# Altium PCB coreBoard_autotrack.PcbDoc (part 3 of 3)
Units mm, origin at the board's own origin, x right, y up, seen from the top; angles counter-clockwise.
Board outline 99.95 x 98.81 mm, 2 copper layers (Top Layer, Bottom Layer); 297 components, 244 nets, 1010 pads, 629 vias.
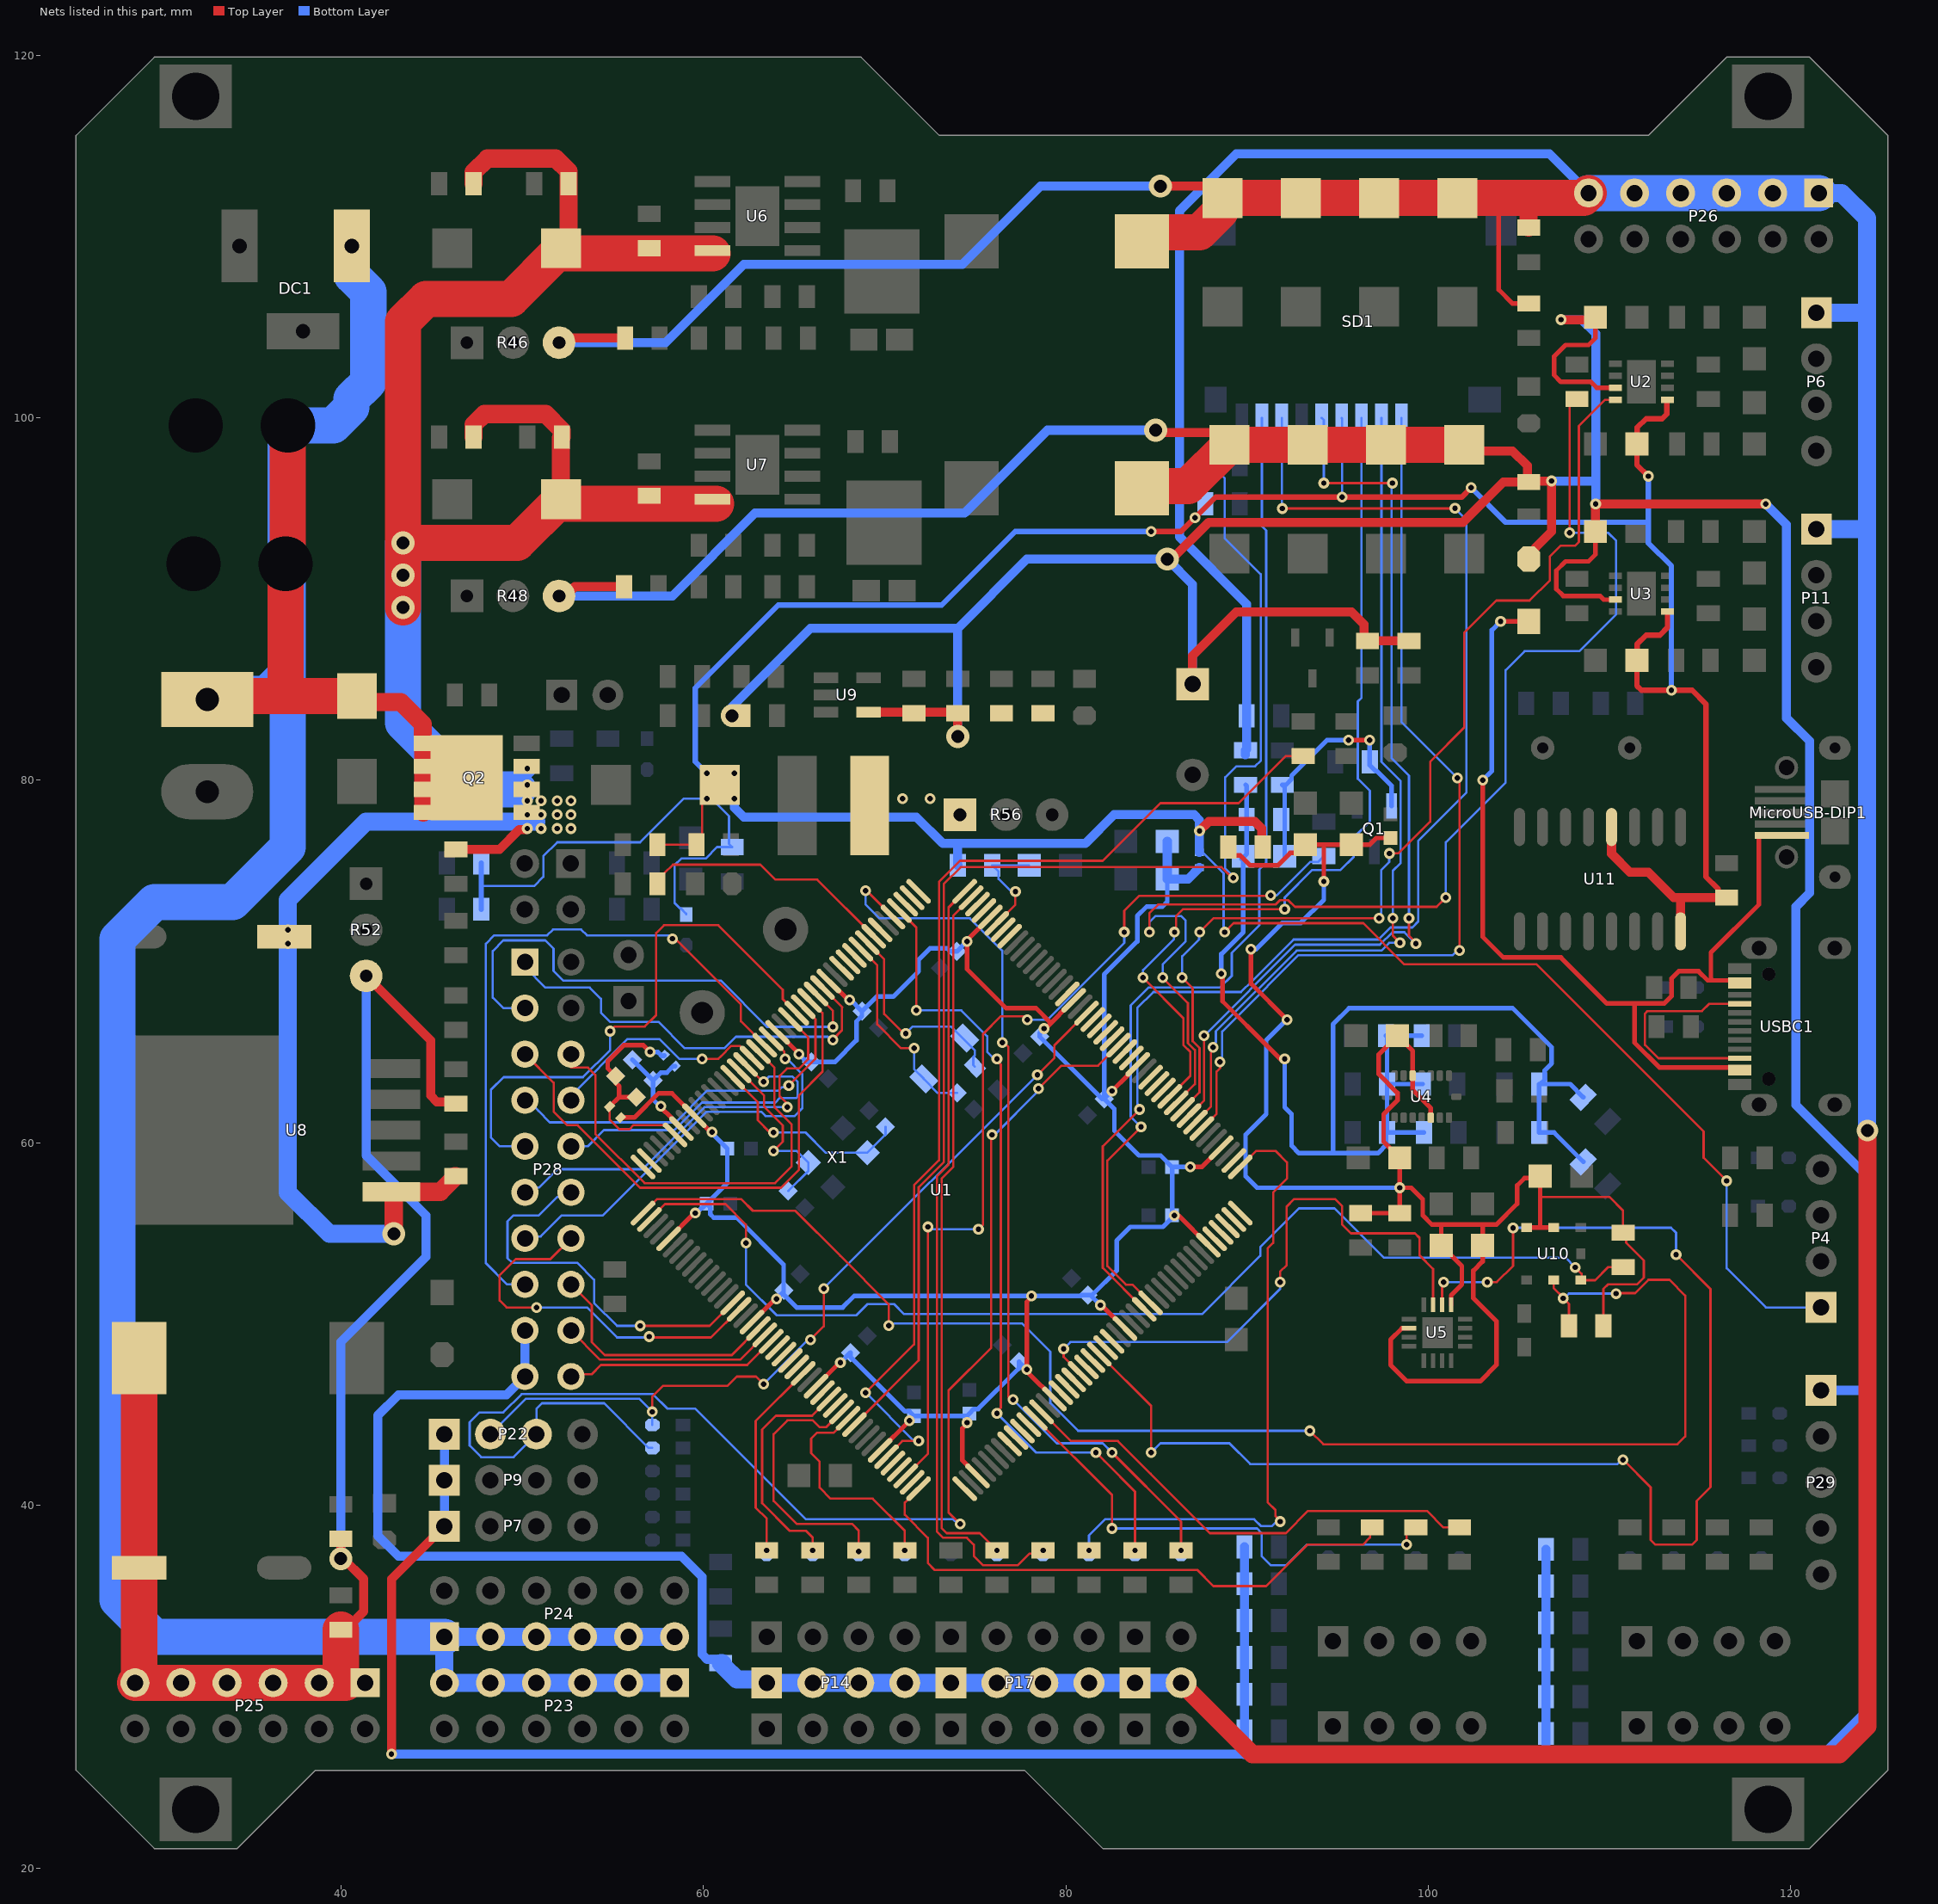
[diagram p3: the nets of this part, all layers, seen from the top]

## Via types
v1: diameter 0.6, hole 0.3, Top Layer to Bottom Layer, tented both sides, 587 vias
v2: diameter 0.6, hole 0.3, Top Layer to Bottom Layer, 20 vias
v3: diameter 1.27, hole 0.711, Top Layer to Bottom Layer, tented both sides, 19 vias
v4: diameter 1.2, hole 0.7, Top Layer to Bottom Layer, tented both sides, 3 vias

## Nets (pads, with @x,y where several pads share a name; then routed paths per layer and width w, separated by ;. In a path a pad name is that pad's centre, name@x,y a point inside that pad or via, vN(x,y) a via of type N, cw(c..) or ccw(c..) an arc to the next point about the centre after c; other vN are vias at no path point) (continued)
PC8: SD1.7 U1.117 | length 74.6
  Top Layer w0.127: v1(84.074,61.849) 82.042,59.817 82.042,53.11 U1.117@84.324,50.828 ; v1(91.948,94.996) 101.464,94.996 v1(101.473,95.005)
  Bottom Layer w0.127: v1(84.074,61.849) 83.983,61.94 83.983,62.123 83.947,62.16 83.947,67.437 84.832,68.322 89.666,68.322 90.297,68.953 92.566,71.222 97.257,71.222 97.917,71.882 99.119,71.882 99.441,72.204 99.441,76.663 102.108,79.33 102.108,94.361 101.473,94.996 v1(101.473,95.005) ; SD1.7@91.916,99.99 91.916,95.028 v1(91.948,94.996)
PC9: SD1.8 U1.118 | length 56.5
  Top Layer w0.127: v1(84.15,60.884) 82.296,59.03 82.296,53.215 83.324,52.187 83.677,52.187 84.678,51.187 U1.118@84.678,51.181
  Bottom Layer w0.127: v1(84.15,60.884) 83.584,61.45 83.584,67.582 84.582,68.58 88.519,68.58 89.154,69.215 89.154,70.485 90.678,72.009 90.678,75.082 91.059,75.463 91.059,93.788 90.816,94.031 SD1.8@90.816,99.99
PC10: SD1.1 U1.139 | length 51.5
  Top Layer w0.127: U1.139@87.506,60.798 88.317,61.609 88.317,63.933 88.519,64.135 88.519,64.457 v1(88.501,64.475) ; v1(101.6,80.137) 101.6,80.009 101.727,79.882 v1(101.727,70.612)
  Bottom Layer w0.127: v1(88.501,64.475) 88.501,64.498 88.628,64.625 88.628,66.149 89.408,66.929 92.837,70.358 101.346,70.358 101.6,70.612 v1(101.727,70.612) ; SD1.1@98.516,99.99 98.516,83.221 v1(101.6,80.137)
PC11: SD1.2 U1.140 | length 47
  Top Layer w0.127: U1.140@87.153,61.152 88.011,62.01 88.011,64.967 ; v1(98.044,72.39) 98.044,71.428 v1(98.434,71.038)
  Bottom Layer w0.127: v1(88.12,65.278) 88.12,65.406 88.276,65.561 88.276,66.156 92.732,70.612 97.409,70.612 97.835,71.038 v1(98.434,71.038) ; SD1.2@97.416,99.99 97.416,81.019 98.476,79.959 98.476,75.438 98.044,75.006 v1(98.044,72.39)
PC12: SD1.5 U1.141 | length 52.5
  Top Layer w0.127: U1.141@86.799,61.505 87.63,62.336 v1(87.63,65.913) ; v1(94.234,96.393) v1(98.025,96.393) ; v1(98.933,72.39) 98.933,71.431 99.314,71.05 v1(99.314,70.993)
  Bottom Layer w0.127: v1(87.63,65.913) 87.642,65.913 92.656,70.927 92.662,70.933 97.327,70.933 98.022,71.628 98.679,71.628 v1(99.314,70.993) ; SD1.5@94.116,99.99 94.234,99.872 v1(94.234,96.393) ; v1(98.025,96.393) 97.968,96.335 97.968,81.229 98.933,80.264 v1(98.933,72.39)
PC13: R93.2 U1.8 | length 14.1
  Top Layer w0.127: R93.2@57.465,74.295 57.465,74.485 57.846,74.866 57.848,74.866 58.331,75.349 63.157,75.349 63.983,74.524 66.285,74.524 U1.8@69.404,71.405
PC14: C10.2 U1.9 X2.2 | length 11.5
  Top Layer w0.127: U1.9@69.051,71.051 69.977,70.125 69.977,67.107 71.044,66.04 v1(71.172,66.04)
  Bottom Layer w0.127: v1(71.172,66.04) 71.553,66.421 73.66,66.421 74.988,65.093 74.988,64.833 74.898,64.743 74.898,64.294 C10.2@74.988,64.204
PC15: C11.2 U1.10 X2.1 | length 11.2
  Top Layer w0.127: U1.10@68.697,70.698 69.596,69.799 69.596,66.548 70.917,65.227 v1(71.628,65.227)
  Bottom Layer w0.127: v1(71.628,65.227) 71.628,64.075 72.159,63.544 X2.1@72.159,63.523 72.914,62.768 C11.2@74.011,62.768
PD0: U1.142 U2.4 | length 57.4
  Top Layer w0.127: v1(86.423,69.113) 86.995,68.542 86.995,65.615 87.376,65.234 87.376,62.789 U1.142@86.446,61.859 ; v1(87.386,71.628) 88.148,72.39 v1(97.282,72.39) ; v1(97.846,75.966) 97.852,75.971 98.349,75.971 100.101,77.724 100.101,81.026 101.981,82.906 101.981,88.138 103.759,89.916 105.588,89.916 106.705,91.034 106.705,92.354 107.29,92.939 108.102,92.939 108.306,93.142 108.306,99.543 109.753,100.99 U2.4@110.327,100.99
  Bottom Layer w0.127: v1@86.36,69.088 v1@86.36,69.113 ; v1(86.423,69.113) 86.423,70.294 87.351,71.222 87.351,71.603 v1@87.376,71.628 ; v1(97.282,72.39) 97.373,72.481 97.373,72.664 97.409,72.701 97.409,75.057 97.841,75.489 97.841,75.96 v1(97.846,75.966)
PD1: R41.1 U1.143 | length 68.2
  Top Layer w0.127: v1(84.611,71.628) 84.611,72.673 85.09,73.152 91.567,73.152 91.803,73.388 92.278,73.388 92.642,73.025 100.457,73.025 v1(100.965,73.533) ; v1(85.344,69.113) 86.36,68.097 86.741,67.716 86.741,65.51 87.122,65.129 87.122,63.242 U1.143@86.092,62.212 ; v1(107.798,93.65) 107.798,100.65 108.179,101.031 R41.1@108.204,101.031
  Bottom Layer w0.127: v1(84.611,71.628) 84.611,72.165 84.963,72.517 86.36,72.517 86.614,72.263 86.614,71.12 85.344,69.85 v1(85.344,69.113) ; v1(100.965,73.533) 100.965,76.581 104.267,79.883 104.267,86.073 105.316,87.122 108.331,87.122 110.363,89.154 110.363,93.218 109.931,93.65 v1(107.798,93.65)
PD2: SD1.3 U1.144 | length 48.7
  Top Layer w0.127: v1(84.264,69.113) 86.487,66.891 86.487,65.405 86.868,65.024 86.868,63.695 U1.144@85.739,62.566 ; v1(85.998,71.628) 86.081,71.711 86.081,72.492 86.487,72.898 v1(92.075,72.898)
  Bottom Layer w0.127: v1(84.264,69.113) 84.264,69.533 85.959,71.227 85.959,71.589 v1(85.998,71.628) ; v1(92.075,72.898) 92.075,73.533 93.599,75.057 95.157,75.057 95.885,75.785 95.885,76.835 96.774,77.724 96.774,79.426 96.114,80.086 96.114,84.353 96.316,84.556 SD1.3@96.316,99.99
PD3: U1.145
PD4: U1.146
PD5: U1.147
PD6: U1.150
PD7: U1.151
PD8: U1.96
PD9: U1.97
PD10: U1.98
PD11: U1.99
PD12: R65.1 U1.100 | length 28.6
  Top Layer w0.127: U1.100@78.314,44.817 82.55,40.581 v1(82.55,38.735) ; R65.1@99.314,38.796 R65.1@98.806,38.796 ; R65.1@98.806,38.796 v1(98.806,37.846) R65.1@98.806,38.796
  Bottom Layer w0.127: v1(82.55,38.735) 90.551,38.735 90.805,38.481 90.805,37.211 91.313,36.703 92.151,36.703 93.294,37.846 v1(98.806,37.846)
PD13: R66.1 U1.101 | length 26.7
  Top Layer w0.127: U1.101@78.667,45.171 80.278,43.561 82.877,43.561 84.682,41.756 87.957,38.481 92.142,38.481 93.361,39.7 99.924,39.7 100.828,38.796 R66.1@101.727,38.796
PD14: U1.104
PD15: U1.105
PDR_ON: C47.2 R42.2 U1.171 | length 6.4
  Top Layer w0.127: U1.171@76.193,72.112 77.216,73.135 77.216,73.915 77.222,73.909 v1(77.222,73.869)
  Bottom Layer w0.127: v1(77.222,73.869) 76.981,73.869 76.29,74.56 76.29,74.967 R42.2@75.946,75.311 C47.2@77.978,75.311
PE0: U1.169
PE1: U1.170
PE2: U1.1
PE3: U1.2
PE4: U1.3
PE5: D34.2 R85.1 U1.4 | length 44.3
  Top Layer w0.127: U1.4@70.819,72.819 71.755,71.882 v1(71.755,67.31) ; v1(76.2,45.085) 76.2,45.182 76.419,45.401 76.419,64.327 76.2,64.546 v1(76.2,64.643) ; v1(81.661,42.926) 82.129,42.458 83.82,40.767 v1(83.82,37.526)
  Bottom Layer w0.127: v1(71.755,67.31) 74.244,67.31 75.667,65.888 75.667,65.024 76.048,64.643 v1(76.2,64.643) ; v1(76.2,45.085) 78.359,42.926 v1(81.661,42.926)
PE6: D33.2 R86.1 U1.5 | length 50.5
  Top Layer w0.127: v1(68.961,73.914) 69.016,73.914 U1.5@70.465,72.465 ; v1(76.492,65.532) 76.589,65.532 76.835,65.286 76.835,45.999 77.089,45.745 v1(77.089,45.847) ; v1(82.55,42.926) 86.36,39.116 v1(86.36,37.526) R86.1@86.182,37.526
  Bottom Layer w0.127: v1(68.961,73.914) 68.961,73.152 69.723,72.39 74.714,72.39 76.492,70.612 v1(76.492,65.532) ; v1(77.089,45.847) 79.502,43.434 82.042,43.434 v1(82.55,42.926)
PE7: U1.68
PE8: U1.69
PE9: D28.2 R77.1 U1.70 | length 11.3
  Top Layer w0.127: v1(63.5,37.526) 63.5,39.274 62.896,39.878 62.896,44.673 U1.70@65.515,47.292
  Bottom Layer w0.127: D28.2@63.305,37.526 v1(63.5,37.526)
PE10: U1.73
PE11: D27.2 R78.1 U1.74 | length 12.9
  Top Layer w0.127: v1(66.04,37.526) 66.04,38.227 65.659,38.608 64.77,38.608 63.246,40.132 63.246,44.196 64.008,44.958 66.009,44.958 U1.74@66.929,45.878
  Bottom Layer w0.127: D27.2@66.04,37.338 v1(66.04,37.526)
PE12: U1.75
PE13: D26.2 R79.1 U1.76 | length 14.9
  Top Layer w0.127: U1.76@67.637,45.171 66.795,44.33 66.414,44.33 66.04,44.704 64.643,44.704 63.881,43.942 63.881,40.259 65.151,38.989 68.199,38.989 68.58,38.608 v1(68.58,37.465)
  Bottom Layer w0.127: D26.2@68.58,37.338 v1(68.58,37.465)
PE14: D25.2 R80.1 U1.77 | length 12.2
  Top Layer w0.127: U1.77@67.99,44.817 67.185,44.013 66.267,44.013 65.95,43.696 65.95,42.889 66.421,42.418 66.421,40.984 67.019,40.386 69.342,40.386 71.12,38.608 v1(71.12,37.526)
PE15: R8.1 U1.78 | length 74.3
  Top Layer w0.127: U1.78@68.344,44.464 68.344,44.468 71.882,48.006 71.882,57.564 73.279,58.961 73.279,74.295 74.201,75.217 88.595,75.217 89.187,74.625 v1(89.235,74.625)
  Bottom Layer w0.127: R8.1@87.696,97.409 87.971,97.134 88.286,97.134 88.773,96.647 88.773,93.345 90.754,91.364 90.754,81.077 90.449,80.772 89.408,80.772 88.798,80.162 88.798,75.138 89.235,74.7 v1(89.235,74.625)
PF0: P28.1 U1.16 | length 23.5
  Top Layer w0.127: U1.16@66.576,68.576 67.666,67.487 67.648,67.469 67.648,66.202 67.15,65.704 v1(67.15,65.679)
  Bottom Layer w0.127: P28.1@50.165,69.977 50.165,69.698 51.295,68.567 53.734,68.567 54.356,67.945 54.356,67.183 54.859,66.68 57.526,66.68 58.979,65.227 61.163,65.227 61.798,65.862 66.872,65.862 67.056,65.679 v1(67.15,65.679)
PF1: P28.3 U1.17 | length 28.5
  Top Layer w0.127: U1.17@66.222,68.223 67.158,67.287 v1(67.158,66.406)
  Bottom Layer w0.127: P28.3@50.165,67.437 48.969,67.437 48.387,68.019 48.387,70.589 48.969,71.172 51.282,71.172 51.74,70.714 51.74,69.494 52.273,68.961 60.96,68.961 63.515,66.406 v1(67.158,66.406)
PF2: P28.5 U1.18 | length 29.7
  Top Layer w0.127: P28.5@50.165,64.897 51.746,63.316 51.746,61.735 52.5,60.98 53.066,60.98 56.515,57.531 64.287,57.531 65.278,58.522 65.278,62.627 66.576,63.925 66.576,67.162 U1.18@65.869,67.869
PF3: P28.7 U1.19 | length 21.1
  Top Layer w0.127: v1(64.719,63.17) 66.188,64.638 66.188,66.824 65.515,67.497 U1.19@65.515,67.516
  Bottom Layer w0.127: P28.7@50.165,62.357 50.317,62.357 50.902,61.773 51.537,61.138 58.471,61.138 60.216,62.883 64.153,62.883 64.346,63.076 64.408,63.076 64.411,63.079 64.629,63.079 v1(64.719,63.17)
PF4: P28.9 U1.20 | length 30.9
  Top Layer w0.127: v1(54.864,66.167) 55.118,66.421 56.769,66.421 57.404,67.056 57.404,71.577 57.836,72.009 60.833,72.009 64.389,68.453 64.389,67.935 U1.20@65.162,67.162
  Bottom Layer w0.127: P28.9@50.165,59.817 48.768,59.817 48.285,60.3 48.285,62.928 48.984,63.627 53.362,63.627 54.864,65.129 v1(54.864,66.167)
PF5: P28.11 U1.21 | length 22.9
  Top Layer w0.127: v1(64.643,61.976) 64.643,62.154 64.211,62.586 64.211,63.703 64.618,64.11 65.278,64.11 65.786,64.618 65.786,65.831 U1.21@64.808,66.809
  Bottom Layer w0.127: P28.11@50.165,57.277 50.428,57.54 50.936,57.54 51.943,58.547 56.642,58.547 60.071,61.976 v1(64.643,61.976)
PF6: P28.13 U1.24 | length 23.1
  Top Layer w0.127: U1.24@63.747,65.748 64.477,65.018 64.477,64.682 v1(64.516,64.643)
  Bottom Layer w0.127: P28.13@50.165,54.737 50.269,54.841 51.031,54.841 52.197,56.007 54.461,56.007 60.176,61.722 63.193,61.722 63.43,61.486 65.042,61.486 65.464,61.908 65.464,63.797 64.618,64.643 v1(64.516,64.643)
PF7: P28.15 U1.25 | length 39.2
  Top Layer w0.127: v1(58.295,71.265) 58.423,71.265 58.563,71.124 58.594,71.124 62.078,67.64 62.078,66.711 U1.25@63.394,65.394
  Bottom Layer w0.127: P28.15@50.165,52.197 49.174,52.197 48.006,53.365 48.006,70.993 48.463,71.45 51.384,71.45 51.71,71.776 53.259,71.776 53.585,71.45 58.22,71.45 58.22,71.339 v1(58.295,71.265)
PF8: P28.6 U1.26 | length 24.9
  Top Layer w0.127: P28.6@52.705,64.897 52.705,64.16 53.645,64.16 54.051,63.754 54.051,60.503 56.769,57.785 63.957,57.785 64.879,58.707 64.879,61.011 63.932,61.959 63.932,64.149 U1.26@63.04,65.041
PF9: P28.8 U1.27 | length 12.6
  Top Layer w0.127: v1(59.944,64.643) 60.833,64.643 60.96,64.77 61.544,65.354 62.02,65.354 U1.27@62.687,64.687
  Bottom Layer w0.127: P28.8@52.705,62.357 52.705,62.611 55.829,65.735 57.582,65.735 58.674,64.643 v1(59.944,64.643)
PF10: P28.10 U1.28 | length 18
  Top Layer w0.127: U1.28@62.333,64.334 63.294,63.373 v1(63.328,63.373)
  Bottom Layer w0.127: P28.10@52.705,59.817 53.627,59.817 54.516,60.706 58.398,60.706 59.922,62.23 63.975,62.23 64.229,62.484 65.135,62.484 65.21,62.558 65.21,63.373 64.922,63.66 63.615,63.66 v1(63.328,63.373)
PF11: P28.12 U1.59 | length 21.4
  Top Layer w0.127: v1(56.515,49.911) 60.356,49.911 U1.59@61.626,51.181
  Bottom Layer w0.127: P28.12@52.705,57.277 52.442,57.014 51.934,57.014 50.927,56.007 49.53,56.007 49.2,55.677 49.2,53.645 49.453,53.392 53.034,53.392 53.975,52.451 53.975,51.181 55.245,49.911 v1(56.515,49.911)
PF12: P28.14 U1.60 | length 21
  Top Layer w0.127: v1(50.8,50.927) 49.149,50.927 48.768,51.308 48.768,52.705 49.657,53.594 51.562,53.594 P28.14@52.705,54.737 P28.14@52.628,54.737 ; v1(57.023,49.322) 57.069,49.276 60.428,49.276 U1.60@61.98,50.828
  Bottom Layer w0.127: v1(50.8,50.927) 53.594,50.927 55.245,49.276 56.977,49.276 v1(57.023,49.322)
PF13: P28.16 U1.63 | length 13.7
  Top Layer w0.127: P28.16@52.705,52.197 53.848,51.054 53.848,49.022 54.567,48.303 61.576,48.303 U1.63@63.04,49.767
PF14: P28.18 U1.64 | length 11.9
  Top Layer w0.127: P28.18@52.705,49.657 54.313,48.049 62.029,48.049 U1.64@63.394,49.414
PF15: P28.20 U1.65 | length 11.8
  Top Layer w0.127: P28.20@52.705,47.117 52.832,47.244 53.848,47.244 54.356,47.752 62.425,47.752 63.733,49.06 U1.65@63.747,49.06
PG0: U1.66
PG1: U1.67
PG2: U1.106
PG3: U1.107 U5.15 | length 32.7
  Top Layer w0.127: v1(79.883,48.641) 79.883,48.198 U1.107@80.789,47.292 ; v1(91.821,52.324) 91.821,52.9 92.184,53.264 92.184,56.497 92.583,56.896 94.869,56.896 95.25,56.515 95.25,55.499 95.733,55.016 99.263,55.016 99.514,54.765 99.514,53.8 100.258,53.056 U5.15@100.258,51.084
  Bottom Layer w0.127: v1(79.883,48.641) 80.264,49.022 88.9,49.022 91.821,51.943 v1(91.821,52.324)
PG4: U1.108
PG5: U1.109
PG6: U1.110 U5.14 | length 76.1
  Top Layer w0.127: U1.110@81.849,48.353 84.709,45.493 v1@84.709,42.799 ; U5.14@100.758,51.084 100.76,51.086 100.76,51.704 100.762,51.706 100.762,52.248 v1(100.838,52.324) ; v1(103.251,52.324) 103.784,52.324 104.673,53.213 v1(104.673,55.313) ; v1(110.744,42.528) 112.268,41.004 112.268,38.1 112.522,37.846 114.554,37.846 114.808,38.1 114.808,40.259 115.57,41.021 115.57,51.943 v1(113.665,53.848)
  Bottom Layer w0.127: v1(84.709,42.926) 85.217,43.434 89.027,43.434 90.17,42.291 110.433,42.291 110.67,42.528 v1(110.744,42.528) ; v1(100.838,52.324) v1(103.251,52.324) ; v1(104.673,55.313) 104.681,55.321 113.393,55.321 113.665,55.05 v1(113.665,53.848)
PG7: U1.111
PG8: U1.112
PG9: D35.2 P22.3 U1.152 | length 77.2
  Top Layer w0.127: v1(74.168,38.989) 73.533,39.624 73.533,46.355 75.887,48.709 75.887,60.411 v1(75.928,60.452) ; v1(78.486,62.992) 79.756,64.262 81.778,64.262 U1.152@82.91,65.394
  Bottom Layer w0.127: D35.2@57.189,43.18 56.994,43.18 54.534,45.641 51.102,45.641 50.8,45.339 P22.3@50.8,43.942 49.53,42.672 47.752,42.672 47.117,43.307 47.117,44.602 47.65,45.136 48.971,45.136 49.987,46.152 57.226,46.152 58.039,45.339 59.563,45.339 65.659,39.243 73.787,39.243 74.041,38.989 v1(74.168,38.989) ; v1(75.928,60.452) 76.073,60.452 78.486,62.865 v1(78.486,62.992)
PG10: U1.153
PG11: U1.154
PG12: U1.155
PG13: U1.156
PG14: D36.2 P22.2 U1.157 | length 46.3
  Top Layer w0.127: v1(57.189,45.172) 57.189,46.013 57.785,46.609 61.341,46.609 61.849,47.117 62.92,47.117 v1(63.337,46.7) ; v1(65.913,49.149) 66.65,49.886 v1(66.65,51.968) ; v1(78.435,63.754) 79.375,64.694 79.375,65.395 U1.157@81.142,67.162
  Bottom Layer w0.127: P22.2@48.26,43.942 50.213,45.895 56.388,45.895 ; 56.388,45.898 56.464,45.898 57.189,45.173 D36.2@57.189,44.45 ; v1(63.337,46.7) 65.786,49.149 v1(65.913,49.149) ; v1(66.65,51.968) v1(78.435,63.754)
PG15: U1.160
PGND_H: C29.1 C30.1 L4.2 Q1.2 R30.1 | length 14.1
  Top Layer w0.254: v1(95.606,82.22) v1(96.769,82.22)
  Bottom Layer w0.254: C30.1@92.075,75.814 92.075,79.624 L4.2@91.948,79.751 92.138,79.751 92.456,80.069 92.456,80.259 94.417,82.22 v1(95.606,82.22) ; v1(96.769,82.22) 96.769,80.835 97.087,80.518 97.155,80.518 97.978,79.695 Q1.2@97.978,78.587
PH0: C5.1 U1.29 X1.1 | length 9.8
  Top Layer w0.127: U1.29@61.98,63.98 63.361,62.599 63.361,61.996 64.389,60.968 64.389,60.071 v1(63.881,59.563)
  Bottom Layer w0.127: v1(63.881,59.563) 65.152,59.563 X1.1@65.803,58.913 65.803,58.467 C5.1@64.691,57.356
PH1: C6.2 U1.30 X1.3 | length 11.6
  Top Layer w0.127: U1.30@61.626,63.627 63.007,62.245 63.007,61.254 63.683,60.579 v1(63.881,60.579)
  Bottom Layer w0.127: v1(63.881,60.579) 65.634,60.579 66.743,59.469 X1.3@69.053,59.469 70.056,60.472 C6.2@70.056,60.882
PH2: U1.43
PH3: U1.44
PH4: R88.1 U1.45 U10.5 | length 84.2
  Top Layer w0.127: U1.45@56.676,56.131 57.441,56.896 62.103,56.896 62.738,56.261 65.077,56.261 67.564,53.774 70.231,51.107 v1(70.231,49.923) ; v1(93.463,44.125) 94.205,43.383 113.741,43.383 114.173,43.815 114.173,51.584 113.306,52.451 112.141,52.451 111.404,51.714 110.388,51.714 v1(110.363,51.689) ; U10.5@106.914,52.431 106.914,52.004 v1@107.463,51.456 ; v1(107.442,51.435) 107.762,51.115 107.762,50.051 R88.1@108.135,49.678
  Bottom Layer w0.127: 70.542,50.038 77.597,50.038 78.867,48.768 79.143,48.492 79.143,45.661 80.679,44.125 v1(93.463,44.125) ; v1(107.442,51.435) 107.499,51.435 107.753,51.689 v1(110.363,51.689)
PH5: R87.1 U1.46 U10.6 | length 64.1
  Top Layer w0.127: U1.46@57.03,55.778 57.882,56.629 61.227,56.629 62.357,55.499 v1(62.357,54.483) ; v1(108.102,53.137) 108.458,52.781 U10.6@108.458,52.431 ; R87.1@110.744,53.152 109.921,53.152 109.2,52.431 U10.6@108.458,52.431 ; U10.6@108.458,52.431 108.458,52.375 108.401,52.431 U10.6@108.415,52.431 U10.6@108.458,52.431
  Bottom Layer w0.127: v1(62.357,54.483) 62.357,52.197 64.059,50.495 68.437,50.495 69.055,51.113 70.536,51.113 71.085,50.564 87.521,50.564 90.732,53.775 90.732,54.261 92.859,56.388 94.83,56.388 97.541,53.677 107.563,53.677 v1(108.102,53.137)
PH6: R102.2 U1.83 | length 59
  Top Layer w0.127: v1(68.961,46.228) 71.628,48.895 71.628,57.67 73.004,59.046 73.004,74.401 74.168,75.565 82.042,75.565 85.217,78.74 89.535,78.74 92.141,81.346 R102.2@93.091,81.346 ; U1.83@70.111,42.696 70.976,43.561 v1(71.882,43.561)
  Bottom Layer w0.127: v1(68.961,46.228) 71.628,43.561 v1(71.882,43.561)
PH7: U1.84
PH8: U1.85
PH9: R29.1 U1.86 | length 52.5
  Top Layer w0.127: U1.86@71.172,41.636 72.39,42.853 v1(72.39,55.372) ; v1(75.184,55.245) 75.438,55.499 75.438,66.013 76.403,66.978 77.861,66.978 78.037,66.802 v1(77.88,66.802) ; v1(83.223,71.628) 83.223,72.809 84.041,73.627 91.279,73.627 v1(91.312,73.66)
  Bottom Layer w0.127: v1(72.39,55.372) 72.517,55.245 v1(75.184,55.245) ; v1(77.88,66.802) 78.994,66.802 83.223,71.031 v1(83.223,71.628) ; v1@83.223,71.691 v1@83.223,71.882 ; v1(91.312,73.66) 91.643,73.66 93.167,75.184 93.483,75.5 93.915,75.5 R29.1@94.234,75.819
PH10: U1.87
PH11: R61.1 U1.88 | length 31.6
  Top Layer w0.127: U1.88@71.879,40.928 71.12,40.169 71.12,39.497 72.39,38.227 72.39,36.83 72.771,36.449 87.249,36.449 88.138,35.56 91.055,35.56 93.343,37.848 93.345,37.846 96.393,37.846 96.782,38.235 96.782,38.678 R61.1@96.901,38.796
PH12: U1.89
PH13: U1.128
PH14: U1.129
PH15: U1.130
PI0: U1.132
PI1: U1.131
PI2: D29.2 R84.1 U1.133 | length 35.9
  Top Layer w0.127: U1.133@89.628,58.677 90.514,59.563 91.567,59.563 92.202,58.928 92.202,58.039 91.44,57.277 91.44,54.483 91.132,54.175 91.132,40.186 91.567,39.751 91.567,39.429 91.821,39.175 v1(91.821,39.116)
  Bottom Layer w0.127: D29.2@81.28,37.338 81.28,38.354 82.169,39.243 90.402,39.243 90.783,38.862 91.361,38.862 91.615,39.116 v1(91.821,39.116)
  other v1: 81.28,37.526
PI3: U1.134
PI4: U1.173
PI5: U1.174
PI6: D31.2 R82.1 U1.175 | length 39.3
  Top Layer w0.127: U1.175@74.778,73.526 73.787,72.535 73.787,58.674 73.152,58.039 73.152,38.757 73.428,38.481 75.245,38.481 v1(76.2,37.526)